# KiCad board hall effect keyboard.kicad_pcb
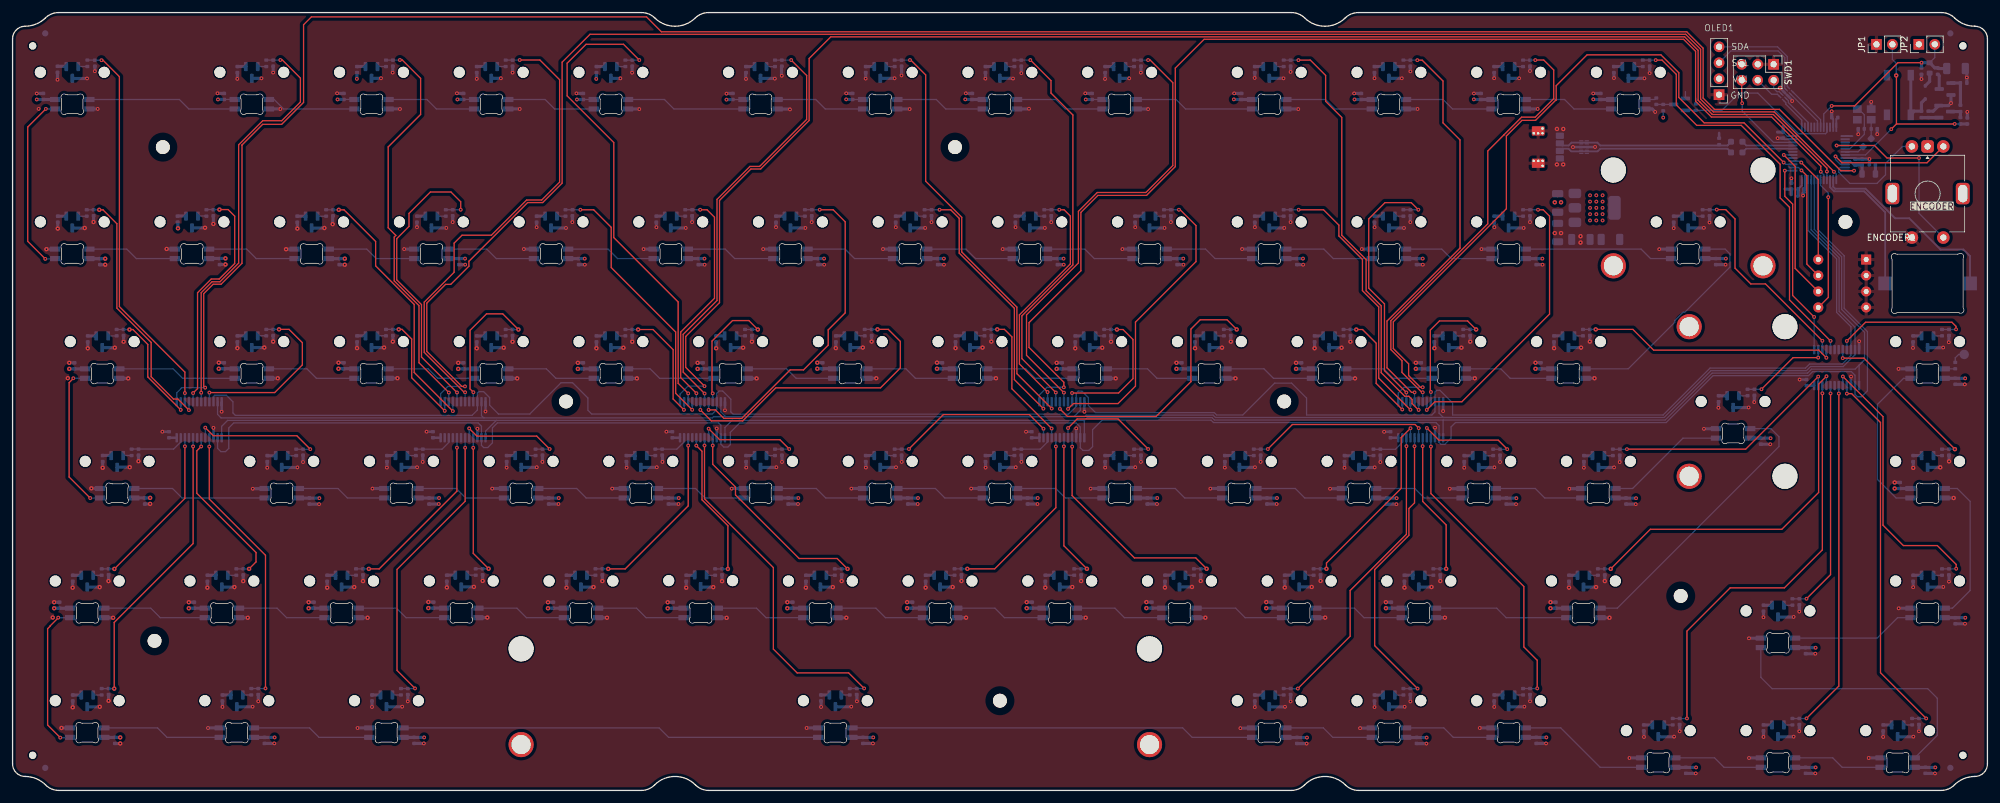
[diagram p0: board, top side]
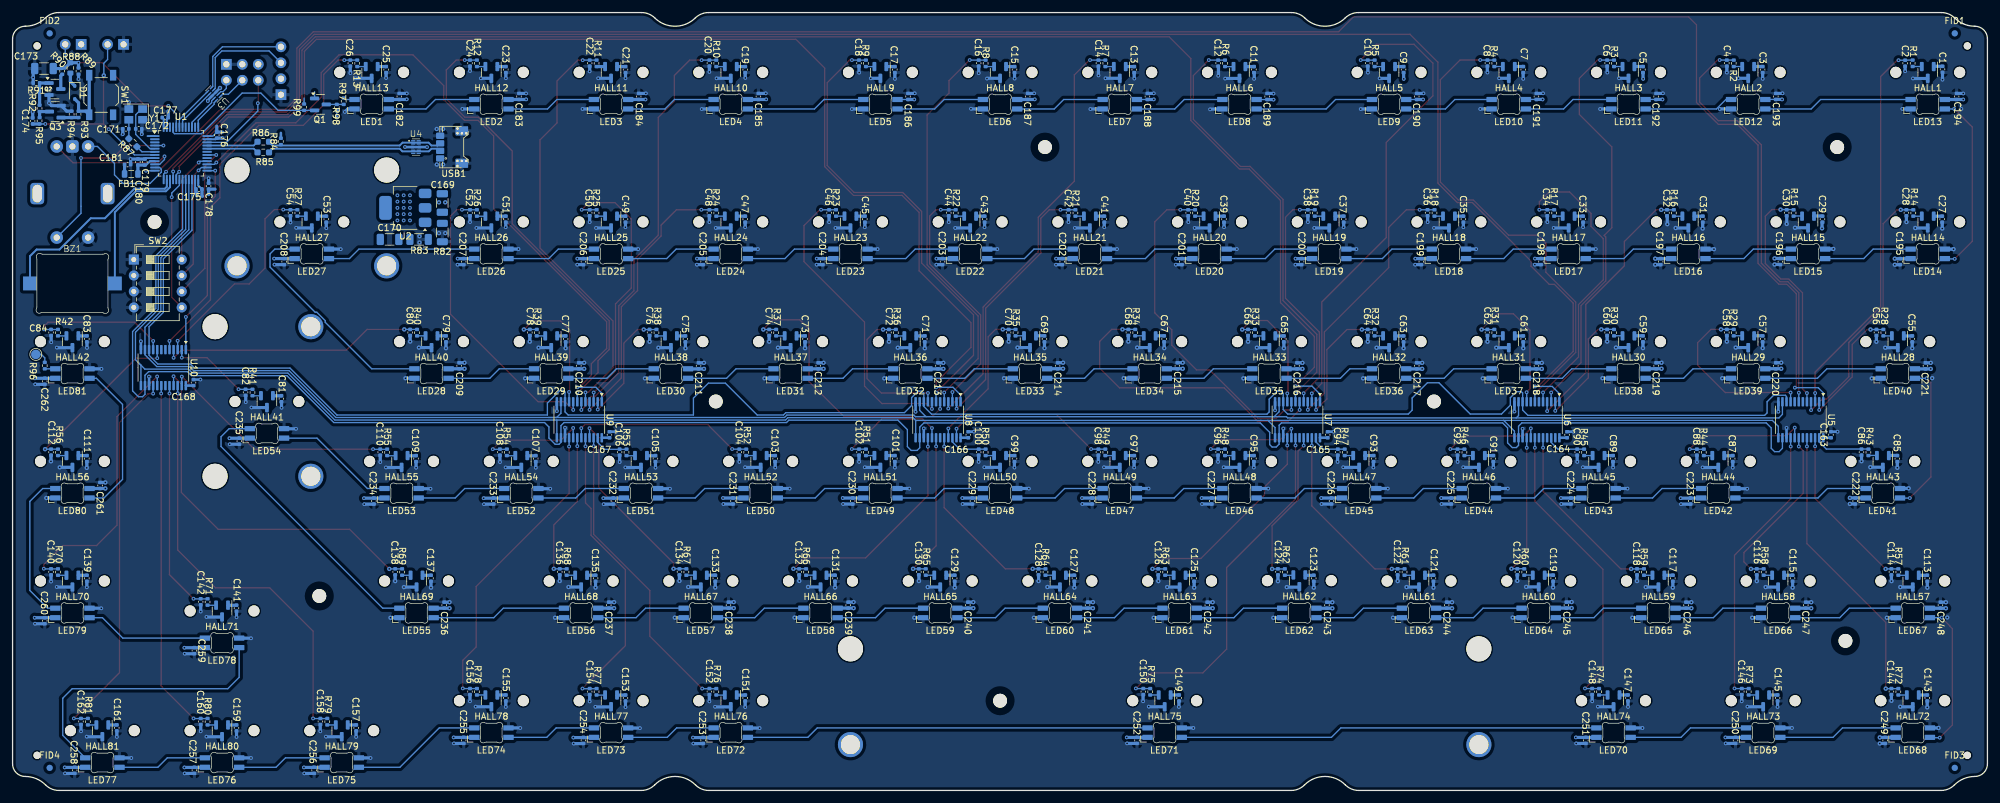
[diagram p1: board, bottom side, seen from below]

Outline 314.3 x 123.8 mm; copper layers: Top, In1.Cu, In2.Cu, Bottom. Coordinates in mm from the lower left corner of the outline.
Outline path: 0,119.62 0,4.22 arc(0.59,2.81) 2,2.22 arc(3.76,1.88) 5.25,0.88 arc(6.23,0.23) 7.37,0 100.05,0 arc(101.21,0.23) 102.18,0.88 arc(105.43,2.22) 108.69,0.88 arc(109.66,0.23) 110.81,0 203.48,0 arc(204.64,0.23) 205.61,0.88 arc(208.87,2.22) 212.12,0.88 arc(213.09,0.23) 214.24,0 306.91,0 arc(308.07,0.23) 309.05,0.88 arc(310.54,1.88) 312.3,2.22 arc(313.71,2.81) 314.3,4.22 314.3,119.62 arc(313.71,121.04) 312.3,121.62 arc(310.56,121.97) 309.08,122.94 arc(308.11,123.58) 306.98,123.8 214.19,123.8 arc(213.05,123.58) 212.09,122.94 arc(208.87,121.62) 205.65,122.94 arc(204.68,123.58) 203.54,123.8 110.76,123.8 arc(109.62,123.58) 108.65,122.94 arc(105.43,121.62) 102.21,122.94 arc(101.25,123.58) 100.11,123.8 7.32,123.8 arc(6.19,123.58) 5.22,122.94 arc(3.74,121.97) 2,121.62 arc(0.59,121.04) 0,119.62
Stack: Top 0.035mm / dielectric 0.2104mm FR4 er 4.4 / In1.Cu 0.035mm / dielectric 0mm FR4 er 4.5 / In2.Cu 0.035mm / dielectric 0mm FR4 er 4.5 / Bottom 0.035mm

## Placement (name value [footprint] x y rotation side)
BZ1  -  [AST1109MLTRQ]  304.78 80.69 180 bottom
C1  100n  [C_0402_1005Metric]  7.15 114.77 270 bottom
C2  100n  [C_0402_1005Metric]  13.1 115.74 270 bottom
C3  100n  [C_0402_1005Metric]  35.78 114.73 270 bottom
C4  100n  [C_0402_1005Metric]  41.48 115.75 270 bottom
C5  100n  [C_0402_1005Metric]  54.83 114.73 90 bottom
C6  100n  [C_0402_1005Metric]  60.53 115.75 270 bottom
C7  100n  [C_0402_1005Metric]  73.88 114.73 270 bottom
C8  100n  [C_0402_1005Metric]  79.58 115.75 270 bottom
C9  100n  [C_0402_1005Metric]  92.92 114.73 90 bottom
C10  100n  [C_0402_1005Metric]  98.63 115.75 270 bottom
C11  100n  [C_0402_1005Metric]  116.74 114.73 270 bottom
C12  100n  [C_0402_1005Metric]  122.44 115.75 270 bottom
C13  100n  [C_0402_1005Metric]  135.79 114.73 270 bottom
C14  100n  [C_0402_1005Metric]  141.49 115.75 270 bottom
C15  100n  [C_0402_1005Metric]  154.84 114.73 270 bottom
C16  100n  [C_0402_1005Metric]  160.54 115.75 270 bottom
C17  100n  [C_0402_1005Metric]  173.89 114.73 270 bottom
C18  100n  [C_0402_1005Metric]  179.59 115.75 270 bottom
C19  100n  [C_0402_1005Metric]  197.7 114.73 270 bottom
C20  100n  [C_0402_1005Metric]  203.4 115.75 270 bottom
C21  100n  [C_0402_1005Metric]  216.75 114.73 270 bottom
C22  100n  [C_0402_1005Metric]  222.45 115.75 270 bottom
C23  100n  [C_0402_1005Metric]  235.8 114.73 270 bottom
C24  100n  [C_0402_1005Metric]  241.5 115.75 270 bottom
C25  100n  [C_0402_1005Metric]  254.85 114.73 270 bottom
C26  100n  [C_0402_1005Metric]  260.55 115.75 270 bottom
C27  100n  [C_0402_1005Metric]  7.2 90.92 270 bottom
C28  100n  [C_0402_1005Metric]  12.9 91.94 270 bottom
C29  100n  [C_0402_1005Metric]  26.25 90.92 90 bottom
C30  100n  [C_0402_1005Metric]  31.95 91.94 270 bottom
C31  100n  [C_0402_1005Metric]  45.3 90.92 270 bottom
C32  100n  [C_0402_1005Metric]  51 91.94 270 bottom
C33  100n  [C_0402_1005Metric]  64.35 90.92 270 bottom
C34  100n  [C_0402_1005Metric]  70.05 91.94 270 bottom
C35  100n  [C_0402_1005Metric]  83.4 90.92 270 bottom
C36  100n  [C_0402_1005Metric]  89.1 91.94 270 bottom
C37  100n  [C_0402_1005Metric]  102.45 90.92 270 bottom
C38  100n  [C_0402_1005Metric]  108.15 91.94 270 bottom
C39  100n  [C_0402_1005Metric]  121.5 90.92 270 bottom
C40  100n  [C_0402_1005Metric]  127.2 91.94 270 bottom
C41  100n  [C_0402_1005Metric]  140.55 90.92 270 bottom
C42  100n  [C_0402_1005Metric]  146.25 91.94 270 bottom
C43  100n  [C_0402_1005Metric]  159.6 90.92 270 bottom
C44  100n  [C_0402_1005Metric]  165.3 91.94 270 bottom
C45  100n  [C_0402_1005Metric]  178.65 90.92 270 bottom
C46  100n  [C_0402_1005Metric]  184.35 91.94 270 bottom
C47  100n  [C_0402_1005Metric]  197.7 90.92 270 bottom
C48  100n  [C_0402_1005Metric]  203.4 91.94 270 bottom
C49  100n  [C_0402_1005Metric]  216.75 90.92 270 bottom
C50  100n  [C_0402_1005Metric]  222.45 91.94 270 bottom
C51  100n  [C_0402_1005Metric]  235.8 90.92 270 bottom
C52  100n  [C_0402_1005Metric]  241.5 91.94 270 bottom
C53  100n  [C_0402_1005Metric]  264.38 90.92 270 bottom
C54  100n  [C_0402_1005Metric]  270.07 91.94 270 bottom
C55  100n  [C_0402_1005Metric]  11.96 71.87 270 bottom
C56  100n  [C_0402_1005Metric]  17.66 72.89 270 bottom
C57  100n  [C_0402_1005Metric]  35.78 71.87 270 bottom
C58  100n  [C_0402_1005Metric]  41.48 72.89 270 bottom
C59  100n  [C_0402_1005Metric]  54.83 71.87 270 bottom
C60  100n  [C_0402_1005Metric]  60.53 72.89 270 bottom
C61  100n  [C_0402_1005Metric]  73.88 71.87 270 bottom
C62  100n  [C_0402_1005Metric]  79.58 72.89 270 bottom
C63  100n  [C_0402_1005Metric]  92.92 71.87 270 bottom
C64  100n  [C_0402_1005Metric]  98.63 72.89 270 bottom
C65  100n  [C_0402_1005Metric]  111.98 71.87 270 bottom
C66  100n  [C_0402_1005Metric]  117.67 72.89 270 bottom
C67  100n  [C_0402_1005Metric]  131.02 71.87 270 bottom
C68  100n  [C_0402_1005Metric]  136.73 72.89 270 bottom
C69  100n  [C_0402_1005Metric]  150.07 71.87 270 bottom
C70  100n  [C_0402_1005Metric]  155.77 72.89 270 bottom
C71  100n  [C_0402_1005Metric]  169.12 71.87 270 bottom
C72  100n  [C_0402_1005Metric]  174.82 72.89 270 bottom
C73  100n  [C_0402_1005Metric]  188.18 71.87 270 bottom
C74  100n  [C_0402_1005Metric]  193.88 72.89 270 bottom
C75  100n  [C_0402_1005Metric]  207.23 71.87 270 bottom
C76  100n  [C_0402_1005Metric]  212.93 72.89 270 bottom
C77  100n  [C_0402_1005Metric]  226.28 71.87 270 bottom
C78  100n  [C_0402_1005Metric]  231.98 72.89 270 bottom
C79  100n  [C_0402_1005Metric]  245.32 71.87 270 bottom
C80  100n  [C_0402_1005Metric]  251.03 72.89 270 bottom
C81  100n  [C_0402_1005Metric]  271.52 62.34 270 bottom
C82  100n  [C_0402_1005Metric]  277.22 63.36 270 bottom
C83  100n  [C_0402_1005Metric]  302.48 71.87 270 bottom
C84  100n  [C_0402_1005Metric]  308.18 72.89 270 bottom
C85  100n  [C_0402_1005Metric]  14.34 52.82 270 bottom
C86  100n  [C_0402_1005Metric]  20.04 53.84 270 bottom
C87  100n  [C_0402_1005Metric]  40.54 52.82 270 bottom
C88  100n  [C_0402_1005Metric]  46.24 53.84 270 bottom
C89  100n  [C_0402_1005Metric]  59.59 52.82 270 bottom
C90  100n  [C_0402_1005Metric]  65.29 53.84 270 bottom
C91  100n  [C_0402_1005Metric]  78.64 52.82 270 bottom
C92  100n  [C_0402_1005Metric]  84.34 53.84 270 bottom
C93  100n  [C_0402_1005Metric]  97.69 52.82 270 bottom
C94  100n  [C_0402_1005Metric]  103.39 53.84 270 bottom
C95  100n  [C_0402_1005Metric]  116.74 52.82 270 bottom
C96  100n  [C_0402_1005Metric]  122.44 53.84 270 bottom
C97  100n  [C_0402_1005Metric]  135.79 52.82 270 bottom
C98  100n  [C_0402_1005Metric]  141.49 53.84 270 bottom
C99  100n  [C_0402_1005Metric]  154.84 52.82 270 bottom
C100  100n  [C_0402_1005Metric]  160.54 53.84 270 bottom
C101  100n  [C_0402_1005Metric]  173.89 52.82 270 bottom
C102  100n  [C_0402_1005Metric]  179.59 53.84 270 bottom
C103  100n  [C_0402_1005Metric]  192.94 52.82 270 bottom
C104  100n  [C_0402_1005Metric]  198.64 53.84 270 bottom
C105  100n  [C_0402_1005Metric]  211.99 52.82 270 bottom
C106  100n  [C_0402_1005Metric]  217.69 53.84 270 bottom
C107  100n  [C_0402_1005Metric]  231.04 52.82 270 bottom
C108  100n  [C_0402_1005Metric]  236.74 53.84 270 bottom
C109  100n  [C_0402_1005Metric]  250.09 52.82 270 bottom
C110  100n  [C_0402_1005Metric]  255.79 53.84 270 bottom
C111  100n  [C_0402_1005Metric]  302.48 52.82 270 bottom
C112  100n  [C_0402_1005Metric]  308.18 53.84 270 bottom
C113  100n  [C_0402_1005Metric]  9.58 33.77 270 bottom
C114  100n  [C_0402_1005Metric]  15.28 34.79 270 bottom
C115  100n  [C_0402_1005Metric]  31.01 33.77 270 bottom
C116  100n  [C_0402_1005Metric]  36.71 34.79 270 bottom
C117  100n  [C_0402_1005Metric]  50.06 33.77 270 bottom
C118  100n  [C_0402_1005Metric]  55.76 34.79 270 bottom
C119  100n  [C_0402_1005Metric]  69.11 33.77 270 bottom
C120  100n  [C_0402_1005Metric]  74.81 34.79 270 bottom
C121  100n  [C_0402_1005Metric]  88.16 33.77 270 bottom
C122  100n  [C_0402_1005Metric]  93.86 34.79 270 bottom
C123  100n  [C_0402_1005Metric]  107.21 33.77 270 bottom
C124  100n  [C_0402_1005Metric]  112.91 34.79 270 bottom
C125  100n  [C_0402_1005Metric]  126.26 33.77 270 bottom
C126  100n  [C_0402_1005Metric]  131.96 34.79 270 bottom
C127  100n  [C_0402_1005Metric]  145.31 33.77 270 bottom
C128  100n  [C_0402_1005Metric]  151.01 34.79 270 bottom
C129  100n  [C_0402_1005Metric]  164.36 33.77 270 bottom
C130  100n  [C_0402_1005Metric]  170.06 34.79 270 bottom
C131  100n  [C_0402_1005Metric]  183.41 33.77 270 bottom
C132  100n  [C_0402_1005Metric]  189.11 34.79 270 bottom
C133  100n  [C_0402_1005Metric]  202.46 33.77 270 bottom
C134  100n  [C_0402_1005Metric]  208.16 34.79 270 bottom
C135  100n  [C_0402_1005Metric]  221.51 33.77 270 bottom
C136  100n  [C_0402_1005Metric]  227.21 34.79 270 bottom
C137  100n  [C_0402_1005Metric]  247.71 33.77 270 bottom
C138  100n  [C_0402_1005Metric]  253.41 34.79 270 bottom
C139  100n  [C_0402_1005Metric]  302.48 33.77 270 bottom
C140  100n  [C_0402_1005Metric]  308.18 34.79 270 bottom
C141  100n  [C_0402_1005Metric]  278.66 29 270 bottom
C142  100n  [C_0402_1005Metric]  284.36 30.02 270 bottom
C143  100n  [C_0402_1005Metric]  9.58 14.72 270 bottom
C144  100n  [C_0402_1005Metric]  15.28 15.74 270 bottom
C145  100n  [C_0402_1005Metric]  33.39 14.72 270 bottom
C146  100n  [C_0402_1005Metric]  39.09 15.74 270 bottom
C147  100n  [C_0402_1005Metric]  57.21 14.72 270 bottom
C148  100n  [C_0402_1005Metric]  62.91 15.74 270 bottom
C149  100n  [C_0402_1005Metric]  128.64 14.72 270 bottom
C150  100n  [C_0402_1005Metric]  134.34 15.74 270 bottom
C151  100n  [C_0402_1005Metric]  197.7 14.72 270 bottom
C152  100n  [C_0402_1005Metric]  203.4 15.74 270 bottom
C153  100n  [C_0402_1005Metric]  216.75 14.72 270 bottom
C154  100n  [C_0402_1005Metric]  222.45 15.74 270 bottom
C155  100n  [C_0402_1005Metric]  235.8 14.72 270 bottom
C156  100n  [C_0402_1005Metric]  241.5 15.74 270 bottom
C157  100n  [C_0402_1005Metric]  259.61 9.95 270 bottom
C158  100n  [C_0402_1005Metric]  265.31 10.97 270 bottom
C159  100n  [C_0402_1005Metric]  278.66 9.95 270 bottom
C160  100n  [C_0402_1005Metric]  284.36 10.97 270 bottom
C161  100n  [C_0402_1005Metric]  297.71 9.95 270 bottom
C162  100n  [C_0402_1005Metric]  303.41 10.97 270 bottom
C163  100n  [C_0402_1005Metric]  24.9 56.61 90 bottom
C164  100n  [C_0402_1005Metric]  66.9 56.61 90 bottom
C165  100n  [C_0402_1005Metric]  105 56.61 90 bottom
C166  100n  [C_0402_1005Metric]  162.2 56.61 90 bottom
C167  100n  [C_0402_1005Metric]  219.3 56.61 90 bottom
C168  100n  [C_0402_1005Metric]  285.5 64.91 90 bottom
C169  10u  [C_1206_3216Metric]  245.9 93.49 270 bottom
C170  100u  [C_1206_3216Metric]  254.3 87.69 180 bottom
C171  8p  [C_0402_1005Metric]  296.28 105.29 0 bottom
C172  8p  [C_0402_1005Metric]  294.22 105.29 180 bottom
C173  10u  [C_1206_3216Metric]  309.3 114.89 0 bottom
C174  100n  [C_0402_1005Metric]  311.1 106.55 90 bottom
C175  100n  [C_0402_1005Metric]  284.64 95.69 0 bottom
C176  100n  [C_0402_1005Metric]  281.8 104.29 270 bottom
C177  100n  [C_0402_1005Metric]  290 107.09 180 bottom
C178  4u7  [C_0402_1005Metric]  283.1 96.17 90 bottom
C179  100n  [C_0402_1005Metric]  293.25 100.01 90 bottom
C180  1u  [C_0402_1005Metric]  294.35 100.01 90 bottom
C181  1u  [C_0402_1005Metric]  296 99.61 180 bottom
C182  100n  [C_0402_1005Metric]  252.75 110.45 90 bottom
C183  100n  [C_0402_1005Metric]  233.7 110.45 90 bottom
C184  100n  [C_0402_1005Metric]  214.65 110.45 90 bottom
C185  100n  [C_0402_1005Metric]  195.6 110.45 90 bottom
C186  100n  [C_0402_1005Metric]  171.79 110.45 90 bottom
C187  100n  [C_0402_1005Metric]  152.74 110.45 90 bottom
C188  100n  [C_0402_1005Metric]  133.69 110.45 90 bottom
C189  100n  [C_0402_1005Metric]  114.64 110.45 90 bottom
C190  100n  [C_0402_1005Metric]  90.83 110.45 90 bottom
C191  100n  [C_0402_1005Metric]  71.78 110.45 90 bottom
C192  100n  [C_0402_1005Metric]  52.73 110.45 90 bottom
C193  100n  [C_0402_1005Metric]  33.67 110.45 90 bottom
C194  100n  [C_0402_1005Metric]  4.9 110.45 90 bottom
C195  100n  [C_0402_1005Metric]  13.9 84.16 270 bottom
C196  100n  [C_0402_1005Metric]  32.95 84.16 270 bottom
C197  100n  [C_0402_1005Metric]  52 84.16 270 bottom
C198  100n  [C_0402_1005Metric]  71.05 84.16 270 bottom
C199  100n  [C_0402_1005Metric]  90.1 84.16 270 bottom
C200  100n  [C_0402_1005Metric]  109.15 84.16 270 bottom
C201  100n  [C_0402_1005Metric]  128.2 84.16 270 bottom
C202  100n  [C_0402_1005Metric]  147.25 84.16 270 bottom
C203  100n  [C_0402_1005Metric]  166.3 84.16 270 bottom
C204  100n  [C_0402_1005Metric]  185.35 84.16 270 bottom
C205  100n  [C_0402_1005Metric]  204.4 84.16 270 bottom
C206  100n  [C_0402_1005Metric]  223.45 84.16 270 bottom
C207  100n  [C_0402_1005Metric]  242.5 84.16 270 bottom
C208  100n  [C_0402_1005Metric]  271.07 84.16 270 bottom
C209  100n  [C_0402_1005Metric]  243.23 67.58 90 bottom
C210  100n  [C_0402_1005Metric]  224.18 67.58 90 bottom
C211  100n  [C_0402_1005Metric]  205.12 67.58 90 bottom
C212  100n  [C_0402_1005Metric]  186.07 67.58 90 bottom
C213  100n  [C_0402_1005Metric]  167.02 67.58 90 bottom
C214  100n  [C_0402_1005Metric]  147.98 67.58 90 bottom
C215  100n  [C_0402_1005Metric]  128.93 67.58 90 bottom
C216  100n  [C_0402_1005Metric]  109.88 67.58 90 bottom
C217  100n  [C_0402_1005Metric]  90.83 67.58 90 bottom
C218  100n  [C_0402_1005Metric]  71.78 67.58 90 bottom
C219  100n  [C_0402_1005Metric]  52.73 67.58 90 bottom
C220  100n  [C_0402_1005Metric]  33.67 67.58 90 bottom
C221  100n  [C_0402_1005Metric]  9.86 67.58 90 bottom
C222  100n  [C_0402_1005Metric]  21.04 46.06 270 bottom
C223  100n  [C_0402_1005Metric]  47.24 46.06 270 bottom
C224  100n  [C_0402_1005Metric]  66.29 46.06 270 bottom
C225  100n  [C_0402_1005Metric]  85.34 46.06 270 bottom
C226  100n  [C_0402_1005Metric]  104.39 46.06 270 bottom
C227  100n  [C_0402_1005Metric]  123.44 46.06 270 bottom
C228  100n  [C_0402_1005Metric]  142.49 46.06 270 bottom
C229  100n  [C_0402_1005Metric]  161.54 46.06 270 bottom
C230  100n  [C_0402_1005Metric]  180.59 46.06 270 bottom
C231  100n  [C_0402_1005Metric]  199.64 46.06 270 bottom
C232  100n  [C_0402_1005Metric]  218.69 46.06 270 bottom
C233  100n  [C_0402_1005Metric]  237.74 46.06 270 bottom
C234  100n  [C_0402_1005Metric]  256.79 46.06 270 bottom
C235  100n  [C_0402_1005Metric]  278.22 55.59 270 bottom
C236  100n  [C_0402_1005Metric]  245.61 29.48 90 bottom
C237  100n  [C_0402_1005Metric]  219.41 29.48 90 bottom
C238  100n  [C_0402_1005Metric]  200.36 29.48 90 bottom
C239  100n  [C_0402_1005Metric]  181.31 29.48 90 bottom
C240  100n  [C_0402_1005Metric]  162.26 29.48 90 bottom
C241  100n  [C_0402_1005Metric]  143.21 29.48 90 bottom
C242  100n  [C_0402_1005Metric]  124.16 29.48 90 bottom
C243  100n  [C_0402_1005Metric]  105.11 29.48 90 bottom
C244  100n  [C_0402_1005Metric]  86.06 29.48 90 bottom
C245  100n  [C_0402_1005Metric]  67.01 29.48 90 bottom
C246  100n  [C_0402_1005Metric]  47.96 29.48 90 bottom
C247  100n  [C_0402_1005Metric]  28.91 29.48 90 bottom
C248  100n  [C_0402_1005Metric]  7.48 29.48 90 bottom
C249  100n  [C_0402_1005Metric]  16.28 7.96 270 bottom
C250  100n  [C_0402_1005Metric]  40.09 7.96 270 bottom
C251  100n  [C_0402_1005Metric]  63.91 7.96 270 bottom
C252  100n  [C_0402_1005Metric]  135.34 7.96 270 bottom
C253  100n  [C_0402_1005Metric]  204.4 7.96 270 bottom
C254  100n  [C_0402_1005Metric]  223.45 7.96 270 bottom
C255  100n  [C_0402_1005Metric]  242.5 7.96 270 bottom
C256  100n  [C_0402_1005Metric]  266.31 3.2 270 bottom
C257  100n  [C_0402_1005Metric]  285.36 3.2 270 bottom
C258  100n  [C_0402_1005Metric]  304.41 3.2 270 bottom
C259  100n  [C_0402_1005Metric]  285.36 22.25 270 bottom
C260  100n  [C_0402_1005Metric]  309.18 27.01 270 bottom
C261  100n  [C_0402_1005Metric]  300.38 48.53 90 bottom
C262  100n  [C_0402_1005Metric]  309.18 65.11 270 bottom
D1  1N4148WS  [D_SOD-323]  304.4 111.08 270 bottom
ENCODER1  EC11E  [ROT_Alps_EC11E-Switch]  304.78 94.99 180 top
FB1  120R @ 100MHz  [L_0805_2012Metric]  295.41 98.11 0 bottom
FID1  Fiducial  [Fiducial_1mm_Mask2mm]  5.2 120.49 180 bottom
FID2  Fiducial  [Fiducial_1mm_Mask2mm]  308.4 120.49 180 bottom
FID3  Fiducial  [Fiducial_1mm_Mask2mm]  5.2 3.59 180 bottom
FID4  Fiducial  [Fiducial_1mm_Mask2mm]  308.4 3.59 180 bottom
H1  MountingHole_Pad  [2.2mm hole]  23.91 102.39 0 top
H2  MountingHole_Pad  [2.2mm hole]  149.99 102.39 0 top
H3  MountingHole_Pad  [2.2mm hole]  291.7 90.48 0 top
H4  MountingHole_Pad  [2.2mm hole]  88.08 61.9 0 top
H5  MountingHole_Pad  [2.2mm hole]  202.38 61.9 0 top
H6  MountingHole_Pad  [2.2mm hole]  22.6 23.8 0 top
H7  MountingHole_Pad  [2.2mm hole]  157.14 14.28 0 top
H8  MountingHole_Pad  [2.2mm hole]  265.48 30.95 0 top
HALL1  SLSS49E-3  [SLSS49E-3 with MX holes]  9.5 114.29 180 bottom
HALL2  SLSS49E-3  [SLSS49E-3 with MX holes]  38.08 114.29 180 bottom
HALL3  SLSS49E-3  [SLSS49E-3 with MX holes]  57.12 114.29 180 bottom
HALL4  SLSS49E-3  [SLSS49E-3 with MX holes]  76.17 114.29 180 bottom
HALL5  SLSS49E-3  [SLSS49E-3 with MX holes]  95.23 114.29 180 bottom
HALL6  SLSS49E-3  [SLSS49E-3 with MX holes]  119.04 114.29 180 bottom
HALL7  SLSS49E-3  [SLSS49E-3 with MX holes]  138.09 114.29 180 bottom
HALL8  SLSS49E-3  [SLSS49E-3 with MX holes]  157.14 114.29 180 bottom
HALL9  SLSS49E-3  [SLSS49E-3 with MX holes]  176.19 114.29 180 bottom
HALL10  SLSS49E-3  [SLSS49E-3 with MX holes]  200 114.29 180 bottom
HALL11  SLSS49E-3  [SLSS49E-3 with MX holes]  219.05 114.29 180 bottom
HALL12  SLSS49E-3  [SLSS49E-3 with MX holes]  238.1 114.29 180 bottom
HALL13  SLSS49E-3  [SLSS49E-3 with MX holes]  257.15 114.29 180 bottom
HALL14  SLSS49E-3  [SLSS49E-3 with MX holes]  9.5 90.48 180 bottom
HALL15  SLSS49E-3  [SLSS49E-3 with MX holes]  28.55 90.48 180 bottom
HALL16  SLSS49E-3  [SLSS49E-3 with MX holes]  47.6 90.48 180 bottom
HALL17  SLSS49E-3  [SLSS49E-3 with MX holes]  66.65 90.48 180 bottom
HALL18  SLSS49E-3  [SLSS49E-3 with MX holes]  85.7 90.48 180 bottom
HALL19  SLSS49E-3  [SLSS49E-3 with MX holes]  104.75 90.48 180 bottom
HALL20  SLSS49E-3  [SLSS49E-3 with MX holes]  123.8 90.48 180 bottom
HALL21  SLSS49E-3  [SLSS49E-3 with MX holes]  142.85 90.48 180 bottom
HALL22  SLSS49E-3  [SLSS49E-3 with MX holes]  161.9 90.48 180 bottom
HALL23  SLSS49E-3  [SLSS49E-3 with MX holes]  180.95 90.48 180 bottom
HALL24  SLSS49E-3  [SLSS49E-3 with MX holes]  200 90.48 180 bottom
HALL25  SLSS49E-3  [SLSS49E-3 with MX holes]  219.05 90.48 180 bottom
HALL26  SLSS49E-3  [SLSS49E-3 with MX holes]  238.1 90.48 180 bottom
HALL27  SLSS49E-3  [SLSS49E-3 with MX holes]  266.68 90.48 180 bottom
HALL28  SLSS49E-3  [SLSS49E-3 with MX holes]  14.26 71.43 180 bottom
HALL29  SLSS49E-3  [SLSS49E-3 with MX holes]  38.08 71.43 180 bottom
HALL30  SLSS49E-3  [SLSS49E-3 with MX holes]  57.12 71.43 180 bottom
HALL31  SLSS49E-3  [SLSS49E-3 with MX holes]  76.17 71.43 180 bottom
HALL32  SLSS49E-3  [SLSS49E-3 with MX holes]  95.23 71.43 180 bottom
HALL33  SLSS49E-3  [SLSS49E-3 with MX holes]  114.27 71.43 180 bottom
HALL34  SLSS49E-3  [SLSS49E-3 with MX holes]  133.32 71.43 180 bottom
HALL35  SLSS49E-3  [SLSS49E-3 with MX holes]  152.38 71.43 180 bottom
HALL36  SLSS49E-3  [SLSS49E-3 with MX holes]  171.43 71.43 180 bottom
HALL37  SLSS49E-3  [SLSS49E-3 with MX holes]  190.48 71.43 180 bottom
HALL38  SLSS49E-3  [SLSS49E-3 with MX holes]  209.52 71.43 180 bottom
HALL39  SLSS49E-3  [SLSS49E-3 with MX holes]  228.57 71.43 180 bottom
HALL40  SLSS49E-3  [SLSS49E-3 with MX holes]  247.62 71.43 180 bottom
HALL41  SLSS49E-3  [SLSS49E-3 with MX holes]  273.82 61.9 180 bottom
HALL42  SLSS49E-3  [SLSS49E-3 with MX holes]  304.78 71.43 180 bottom
HALL43  SLSS49E-3  [SLSS49E-3 with MX holes]  16.64 52.38 180 bottom
HALL44  SLSS49E-3  [SLSS49E-3 with MX holes]  42.84 52.38 180 bottom
HALL45  SLSS49E-3  [SLSS49E-3 with MX holes]  61.89 52.38 180 bottom
HALL46  SLSS49E-3  [SLSS49E-3 with MX holes]  80.94 52.38 180 bottom
HALL47  SLSS49E-3  [SLSS49E-3 with MX holes]  99.99 52.38 180 bottom
HALL48  SLSS49E-3  [SLSS49E-3 with MX holes]  119.04 52.38 180 bottom
HALL49  SLSS49E-3  [SLSS49E-3 with MX holes]  138.09 52.38 180 bottom
HALL50  SLSS49E-3  [SLSS49E-3 with MX holes]  157.14 52.38 180 bottom
HALL51  SLSS49E-3  [SLSS49E-3 with MX holes]  176.19 52.38 180 bottom
HALL52  SLSS49E-3  [SLSS49E-3 with MX holes]  195.24 52.38 180 bottom
HALL53  SLSS49E-3  [SLSS49E-3 with MX holes]  214.29 52.38 180 bottom
HALL54  SLSS49E-3  [SLSS49E-3 with MX holes]  233.34 52.38 180 bottom
HALL55  SLSS49E-3  [SLSS49E-3 with MX holes]  252.39 52.38 180 bottom
HALL56  SLSS49E-3  [SLSS49E-3 with MX holes]  304.78 52.38 180 bottom
HALL57  SLSS49E-3  [SLSS49E-3 with MX holes]  11.88 33.33 180 bottom
HALL58  SLSS49E-3  [SLSS49E-3 with MX holes]  33.31 33.33 180 bottom
HALL59  SLSS49E-3  [SLSS49E-3 with MX holes]  52.36 33.33 180 bottom
HALL60  SLSS49E-3  [SLSS49E-3 with MX holes]  71.41 33.33 180 bottom
HALL61  SLSS49E-3  [SLSS49E-3 with MX holes]  90.46 33.33 180 bottom
HALL62  SLSS49E-3  [SLSS49E-3 with MX holes]  109.51 33.39 180 bottom
HALL63  SLSS49E-3  [SLSS49E-3 with MX holes]  128.56 33.33 180 bottom
HALL64  SLSS49E-3  [SLSS49E-3 with MX holes]  147.61 33.33 180 bottom
HALL65  SLSS49E-3  [SLSS49E-3 with MX holes]  166.66 33.33 180 bottom
HALL66  SLSS49E-3  [SLSS49E-3 with MX holes]  185.71 33.33 180 bottom
HALL67  SLSS49E-3  [SLSS49E-3 with MX holes]  204.76 33.33 180 bottom
HALL68  SLSS49E-3  [SLSS49E-3 with MX holes]  223.81 33.33 180 bottom
HALL69  SLSS49E-3  [SLSS49E-3 with MX holes]  250.01 33.33 180 bottom
HALL70  SLSS49E-3  [SLSS49E-3 with MX holes]  304.78 33.33 180 bottom
HALL71  SLSS49E-3  [SLSS49E-3 with MX holes]  280.96 28.57 180 bottom
HALL72  SLSS49E-3  [SLSS49E-3 with MX holes]  11.88 14.28 180 bottom